# KiCad board control-logic-midplane.kicad_pcb (continued)
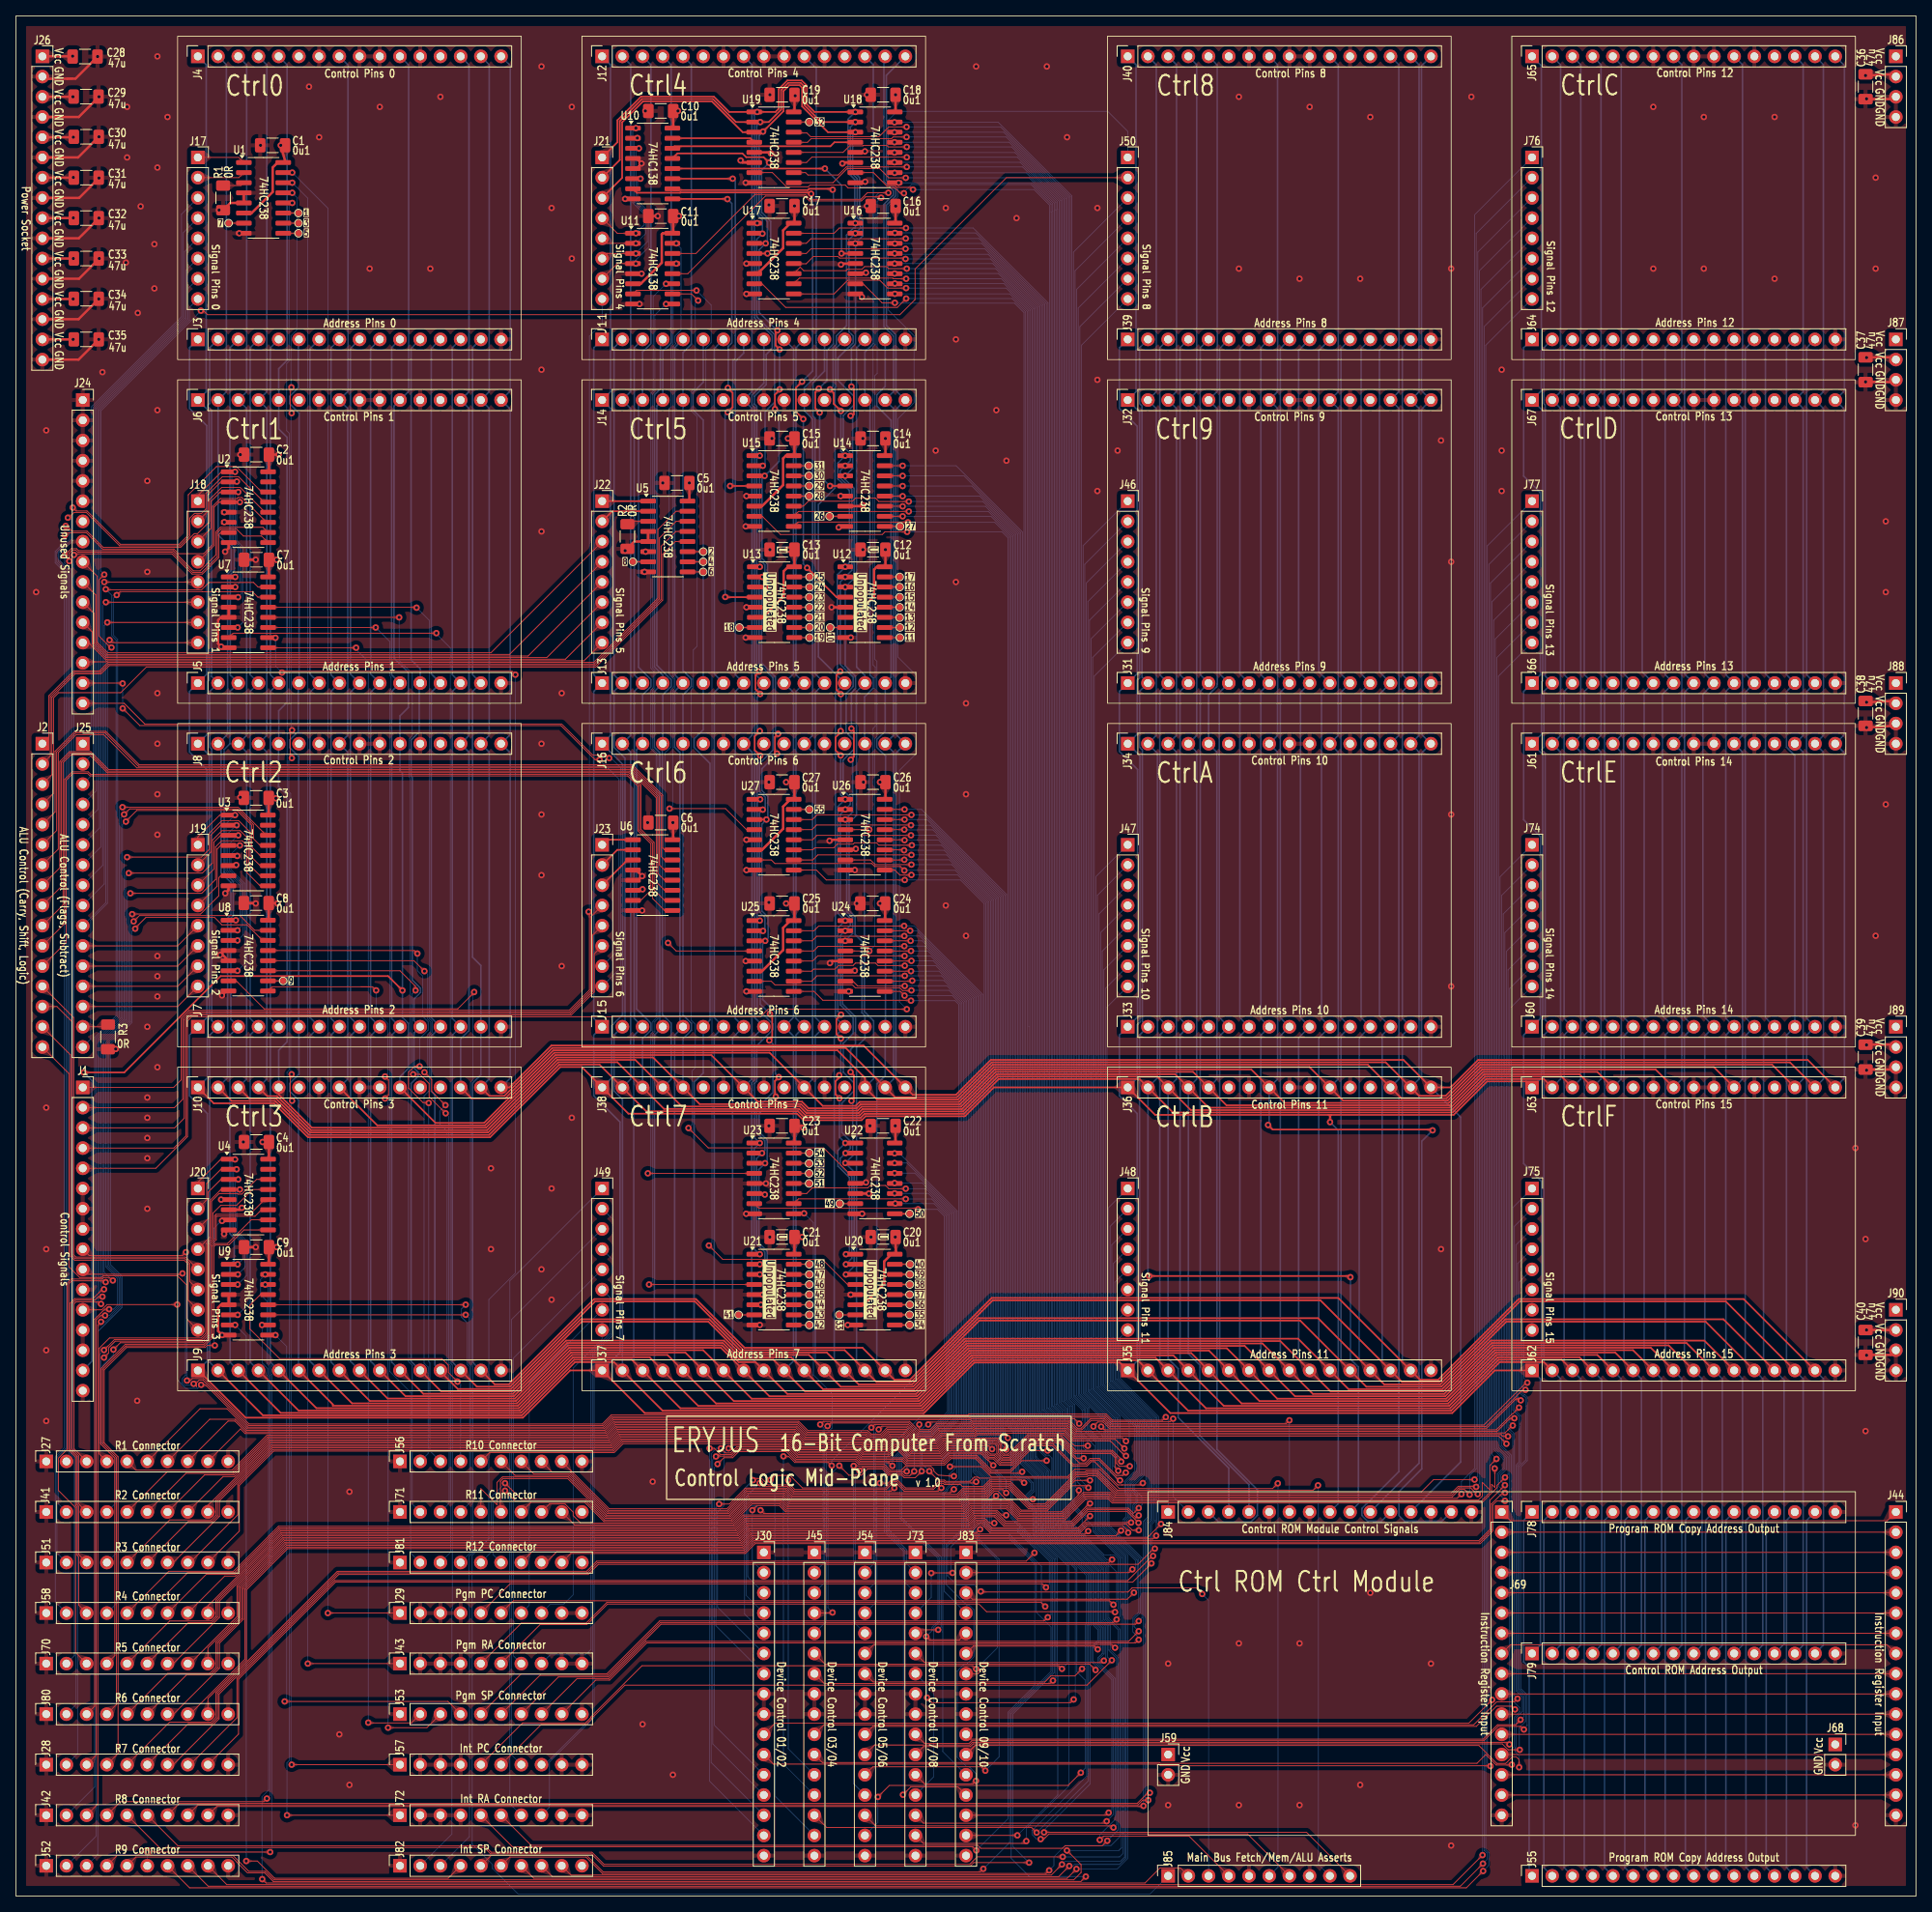
[diagram p0: board, top side]
## Routing (per net, layer and track width the routed paths; a pad name or vN(x,y) marks a point on that pad's centre or on a via; arc(x,y) is an arc through that point) (continued)
Addr8: length 750.1
  Top w0.2: J9.9 46.71,62.51 62.7,62.51 69.39,69.19 88.71,69.19 90.81,67.09 92.93,67.09 J37.9 96.93,63.09 113.1,63.09 119.44,69.43 156.63,69.43 J35.9 162.97,63.09 179.47,63.09 185.57,69.19 207.67,69.19 J62.9
  Bottom w0.2: J64.9 209.67,194.43 209.67,153.55 J66.9 209.67,151.25 209.67,110.37 J60.9 209.65,108.05 209.65,67.21 J62.9 211.87,64.99 211.87,31.53 J79.9 ; J11.9 93.98,190.08 92.49,188.59 92.49,187.33 92.79,187.03 92.79,153.59 J13.9 92.83,151.25 92.83,110.37 J15.9 92.79,108.03 92.79,102.53 92.46,102.19 92.46,102.07 92.49,102.03 92.49,101.17 92.46,101.13 92.46,67.56 J37.9 ; J35.9 158.87,67.19 158.87,108.07 J33.9 158.87,110.37 158.87,151.25 J31.9 158.87,153.55 158.87,194.43 J39.9 ; J9.9 42.03,67.19 42.03,108.07 J7.9 42.03,110.37 42.03,151.25 J5.9 42.03,153.55 42.03,194.43 J3.9
Addr9: length 750.2
  Top w0.2: J62.10 209.91,69.49 185.44,69.49 179.34,63.39 165.21,63.39 J35.10 158.87,69.73 119.32,69.73 112.98,63.39 99.17,63.39 J37.10 95.17,67.39 90.94,67.39 88.84,69.49 69.26,69.49 62.58,62.81 48.95,62.81 J9.10
  Bottom w0.2: J11.10 97.71,194.39 97.71,153.59 J13.10 97.71,151.21 97.71,110.41 J15.10 97.71,108.03 97.71,67.23 J37.10 ; J79.10 214.41,31.53 214.41,64.99 J62.10 212.21,67.19 212.21,108.07 J60.10 211.97,110.61 211.97,151.01 J66.10 212.21,153.55 212.21,194.43 J64.10 ; J39.10 161.17,194.19 161.17,153.79 J31.10 161.41,151.25 161.41,110.37 J33.10 161.17,107.83 161.17,67.43 J35.10 ; J9.10 44.57,67.19 44.57,108.07 J7.10 44.57,110.37 44.57,151.25 J5.10 44.57,153.55 44.57,194.43 J3.10
AddrA: length 749.1
  Top w0.2: J62.11 212.15,69.79 185.32,69.79 179.22,63.69 167.45,63.69 J35.11 161.11,70.03 119.19,70.03 112.85,63.69 101.41,63.69 J37.11 97.41,67.69 91.06,67.69 88.96,69.79 69.14,69.79 62.45,63.11 51.2,63.11 J9.11
  Bottom w0.2: J79.11 216.95,31.53 216.95,64.99 J62.11 214.85,67.09 214.85,108.17 J60.11 214.85,110.27 214.85,151.35 J66.11 214.85,153.45 214.85,194.53 J64.11 ; J35.11 163.71,67.43 163.71,107.83 J33.11 164.05,110.27 164.05,151.35 J31.11 163.71,153.79 163.71,194.19 J39.11 ; J9.11 47.21,67.09 47.21,108.17 J7.11 47.21,110.27 47.21,151.35 J5.11 47.21,153.45 47.21,194.53 J3.11 ; J37.11 98.01,67.09 98.01,108.17 J15.11 98.01,110.27 98.01,151.35 J13.11 98.01,153.45 98.01,194.53 J11.11
AddrB: length 755.8
  Top w0.2: J62.12 212.31,72.17 187.27,72.17 179.09,63.99 169.69,63.99 J35.12 161.37,72.31 121.05,72.31 112.73,63.99 103.65,63.99 J37.12 99.65,67.99 91.19,67.99 87.01,72.17 71.09,72.17 62.33,63.41 53.43,63.41 J9.12
  Bottom w0.2: J37.12 100.45,67.19 100.45,108.07 J15.12 100.45,110.37 100.45,151.25 J13.12 100.41,153.59 100.41,185.69 100.15,185.95 100.15,190.15 101.6,191.6 J11.12 ; J35.12 166.49,67.19 166.49,108.07 J33.12 166.49,110.37 166.49,151.25 J31.12 166.49,153.55 166.49,194.43 J39.12 ; J64.12 217.29,194.43 217.29,153.55 J66.12 217.29,151.25 217.29,110.37 J60.12 217.29,108.07 217.29,67.19 J62.12 219.49,64.99 219.49,31.53 J79.12 ; 50.67,152.27 50.67,146.28 49.65,145.26 49.65,140.72 49.81,140.56 49.81,115.09 50.85,114.05 50.85,113.53 50.01,112.7 50.01,110.01 J7.12 50.01,108.43 50.01,104.04 50.54,103.51 50.54,102.99 49.65,102.1 49.65,67.19 J9.12 ; J3.12 49.65,194.43 49.65,155.33 50.8,154.18 J5.12
AddrC: length 757
  Top w0.2: J62.13 214.55,72.47 187.15,72.47 178.97,64.29 171.93,64.29 J35.13 163.61,72.61 120.92,72.61 112.6,64.29 105.89,64.29 J37.13 101.89,68.29 91.31,68.29 87.13,72.47 70.97,72.47 62.2,63.71 55.53,63.71 53.34,65.89
  Bottom w0.2: J79.13 222.17,31.67 222.17,64.85 J62.13 219.59,67.43 219.59,107.83 J60.13 219.83,110.37 219.83,151.25 J66.13 219.83,153.55 219.83,194.43 J64.13 ; J11.13 102.99,194.43 102.99,189.59 102.92,189.51 102.92,176.9 100.84,174.83 100.84,155.7 J13.13 102.98,151.24 102.98,110.39 J15.13 102.82,107.9 102.82,67.36 J37.13 ; J3.13 52.19,194.43 52.19,153.55 J5.13 52.19,151.25 52.19,110.37 J7.13 52.19,108.07 52.19,101.12 52.63,100.68 52.63,66.75 J9.13 ; J39.13 169.03,194.43 169.03,153.55 J31.13 169.03,151.25 169.03,110.37 J33.13 168.79,107.83 168.79,67.43 J35.13
AddrD: length 759.8
  Top w0.2: J9.14 57.91,64.01 62.08,64.01 72.78,74.71 85.32,74.71 91.44,68.59 104.13,68.59 J37.14 108.13,64.59 112.48,64.59 122.74,74.85 163.91,74.85 J35.14 174.17,64.59 178.84,64.59 188.96,74.71 214.85,74.71 J62.14
  Bottom w0.2: J64.14 222.47,194.53 222.47,153.45 J66.14 222.47,151.35 222.47,144.35 223.52,143.3 J60.14 222.47,108.17 222.47,67.09 J62.14 224.57,64.99 224.57,31.53 J79.14 ; J3.14 54.83,194.53 54.83,153.45 J5.14 54.83,151.35 54.83,110.27 J7.14 54.83,108.17 54.83,67.09 J9.14 ; J37.14 105.63,67.09 105.63,106.7 106.68,107.75 J15.14 106.68,110.62 106.31,110.99 106.31,119.95 105.44,120.82 105.44,123.06 104.69,123.81 104.69,134.85 105.61,135.77 105.61,151.33 J13.14 106.68,153.37 105.63,154.42 105.63,194.53 J11.14 ; J39.14 171.33,194.19 171.33,153.79 J31.14 171.33,151.01 171.33,110.61 J33.14 171.67,108.17 171.67,67.09 J35.14
AddrE: length 759
  Top w0.2: J9.15 60.15,64.31 61.96,64.31 72.66,75.01 85.44,75.01 91.56,68.89 106.37,68.89 J37.15 110.37,64.89 112.36,64.89 122.61,75.15 166.15,75.15 J35.15 176.41,64.89 178.72,64.89 188.84,75.01 217.09,75.01 J62.15
  Bottom w0.2: J15.15 109.22,103.05 108.82,102.65 108.79,102.65 108.17,102.03 108.17,67.09 J37.15 ; J39.15 174.21,194.53 174.21,153.45 J31.15 174.21,151.35 174.21,110.27 J33.15 174.21,108.17 174.21,67.09 J35.15 ; J11.15 109.22,189.66 108.17,188.61 108.17,187.21 109.97,185.41 109.97,153.15 J13.15 109.22,146.35 108.17,145.3 108.17,144.35 109.27,143.24 109.27,109.27 ; J9.15 57.37,67.09 57.37,102.12 58.42,103.17 J7.15 58.42,116.92 57.37,117.97 57.37,151.35 J5.15 57.37,153.45 57.37,194.53 J3.15 ; J79.15 227.11,31.53 227.11,64.99 J62.15 225.01,67.09 225.01,108.17 J60.15 225.01,110.27 225.01,151.35 J66.15 225.01,153.45 225.01,194.53 J64.15
CPU_CLK: length 796.3
  Top w0.2: v1(8.52,103.48) 13.62,103.48 25.72,115.59 46.76,115.59 v1(48.57,113.78) ; J63.11 213.35,104.15 184.1,104.15 179.9,99.95 166.75,99.95 J36.11 162.54,104.16 122.87,104.16 118.49,99.77 106.01,99.77 105.52,99.28 101.38,99.28 J38.11 94.7,105.96 67.66,105.96 58.83,97.13 52.73,97.13 J10.11
  Bottom w0.2: J36.11 166.15,102.65 166.15,143.73 J34.11 166.15,145.83 166.15,186.91 J32.11 166.15,189.01 166.15,230.09 J40.11 ; J4.11 49.35,230.05 49.35,189.05 J6.11 47.51,187.21 47.51,155.54 49.31,153.74 49.31,149.34 48.26,148.29 J8.11 48.26,141.4 48.57,141.09 v1(48.57,113.78) 48.57,110.39 49.31,109.65 49.31,103.99 48.26,102.94 J10.11 ; J63.11 216.95,102.65 216.95,143.73 J61.11 216.95,145.83 216.95,186.91 J67.11 216.95,189.01 216.95,230.09 J65.11 ; J1.15 9.55,67.19 9.55,102.45 v1(8.52,103.48) ; J38.11 100.11,102.65 100.11,143.73 J16.11 100.11,145.83 100.11,185.56 99.06,186.61 J14.11 99.06,189.48 100.56,190.98 100.56,195.14 100.55,195.15 100.55,196.01 100.56,196.02 100.56,229.64 J12.11
CPY_CLK: length 794.3
  Top w0.2: J63.8 206.03,103.85 184.23,103.85 180.03,99.65 159.43,99.65 J36.8 155.22,103.86 123,103.86 118.62,99.47 106.13,99.47 105.64,98.98 99.59,98.98 98.77,99.8 93.24,99.8 J38.8 87.38,105.66 67.78,105.66 58.95,96.83 45.41,96.83 J10.8 ; v1(178.01,96.21) 177.91,96.31 157.91,96.31 v1(157.33,96.88)
  Bottom w0.2: J65.8 209.33,230.09 209.33,189.01 J67.8 209.33,186.91 209.33,145.83 J61.8 209.33,143.73 209.33,102.65 J63.8 ; v1(178.01,96.21) 176.65,94.85 176.65,53.67 173.77,50.79 173.77,47.83 174.49,47.11 179.19,47.11 J84.15 ; J40.8 158.53,230.09 158.53,189.01 J32.8 158.53,186.91 158.53,145.83 J34.8 158.53,143.73 158.53,102.65 J36.8 157.48,97.03 v1(157.33,96.88) ; J12.8 92.49,230.09 92.49,189.01 J14.8 92.49,186.91 92.49,145.83 J16.8 92.49,143.73 92.49,102.65 J38.8 ; J10.8 41.69,102.65 41.69,143.73 J8.8 41.69,145.83 41.69,186.91 J6.8 41.73,189.05 41.73,230.05 J4.8
EEPROM CMD/ADDR: length 791.1
  Top w0.2: v1(167.69,77.76) 167.53,77.91 v1(142.38,77.91) ; J10.2 27.09,99.91 32.55,99.91 36.82,95.63 59.45,95.63 68.28,104.46 73.34,104.46 J38.2 79.2,98.6 98.27,98.6 99.09,97.78 106.14,97.78 106.63,98.27 119.11,98.27 123.5,102.66 141.19,102.66 J36.2 145.39,98.45 180.52,98.45 184.72,102.65 191.99,102.65 J63.2
  Bottom w0.2: J65.2 194.09,230.09 194.09,189.01 J67.2 194.09,186.91 194.09,145.83 J61.2 194.09,143.73 194.09,102.65 J63.2 ; v1(167.69,77.76) 167.69,67.48 168.69,66.47 168.69,49.31 J84.10 ; J38.2 77.25,102.65 77.25,143.73 J16.2 77.25,145.83 77.25,186.91 J14.2 77.25,189.01 77.25,230.09 J12.2 ; J8.2 26.59,145.97 26.59,166.08 27.05,166.54 27.05,169.37 25.4,171.02 J6.2 26.45,189.01 26.45,230.09 J4.2 ; v1(142.38,77.91) 142.24,78.05 J36.2 143.43,102.79 143.43,143.59 J34.2 143.29,145.83 143.29,186.91 J32.2 143.29,189.01 143.29,230.09 J40.2 ; J10.2 26.59,102.79 26.59,122.88 27,123.29 27,127.35 25.78,128.58 25.78,144.4
EEPROM ~{CS}: length 764
  Top w0.2: 189.75,102.35 184.85,102.35 180.65,98.15 165.31,98.15 ; v1(165.12,97.24) 165.12,97.88 ; 165.12,97.88 165.12,98.09 165.19,98.15 ; 165.12,97.88 165.12,97.96 ; 165.19,98.15 164.94,98.15 ; 165.19,98.15 165.31,98.15 ; 164.94,98.15 165.12,97.96 ; 164.94,98.15 143.15,98.15 J36.1 122.86,101.6 119.24,97.97 106.76,97.97 106.26,97.48 98.97,97.48 98.15,98.3 76.96,98.3 J38.1 71.1,104.16 68.4,104.16 59.57,95.33 36.7,95.33 32.43,99.61 24.85,99.61 J10.1 ; 165.12,97.96 165.31,98.15
  Bottom w0.2: J38.1 74.85,102.79 74.85,109.35 76.23,110.74 76.23,142.21 J16.1 74.71,145.83 74.71,186.91 J14.1 74.71,189.01 74.71,230.09 J12.1 ; J40.1 140.75,230.09 140.75,189.01 J32.1 141.19,186.48 141.19,153.03 140.89,152.74 140.89,145.97 J34.1 141.23,143.25 141.23,109.8 140.89,109.46 140.89,102.79 J36.1 ; J4.1 23.91,230.09 23.91,189.01 J6.1 24.28,186.54 24.28,152.76 24.05,152.53 24.05,145.97 J8.1 24.3,143.34 24.3,110.24 24.05,109.99 24.05,102.79 J10.1 ; v1(165.12,97.24) 166.15,96.22 166.15,49.31 J84.9 ; J65.1 191.67,229.97 191.67,189.13 J67.1 191.85,186.61 191.85,152.69 191.69,152.53 191.69,145.97 J61.1 191.85,143.43 191.85,110.15 191.69,109.99 191.69,102.79 J63.1
HS_CLK: length 176.7
  Top w0.1: J1.12 10.79,73.66 11.45,74.32 v1(20.27,74.32) ; v1(23.27,64.24) 23.8,64.24 29.13,58.91 73.84,58.91 74.97,60.04 119.79,60.04 119.91,60.16 136.85,60.16 137.63,59.38 159.62,59.38 v1(160.02,59.78)
  Bottom w0.1: v1(20.27,74.32) 20.27,64.89 21.37,63.78 22.81,63.78 v1(23.27,64.24) ; v1(160.02,59.78) J84.7
INSTR_A0: length 50.4
  Top w0.1: J44.1 235.12,47.16 187.79,47.16 J69.1
INSTR_A1: length 49.5
  Top w0.1: J69.2 J44.2
INSTR_A2: length 49.5
  Top w0.1: J69.3 J44.3
INSTR_A3: length 49.5
  Top w0.1: J69.4 J44.4
INSTR_A4: length 49.5
  Top w0.1: J69.5 J44.5
INSTR_A5: length 49.5
  Top w0.1: J69.6 J44.6
INSTR_A6: length 49.5
  Top w0.1: J69.7 J44.7
INSTR_A7: length 50.4
  Top w0.1: J44.8 235.12,31.58 187.79,31.58 J69.8
INSTR_A8: length 49.5
  Top w0.1: J69.9 J44.9
INSTR_A9: length 49.5
  Top w0.1: J69.10 J44.10
INSTR_AA: length 49.5
  Top w0.1: J69.11 J44.11
INSTR_AB: length 49.5
  Top w0.1: J69.12 J44.12
INSTR_AC: length 49.5
  Top w0.1: J44.13 J69.13
INSTR_AD: length 49.5
  Top w0.1: J69.14 J44.14
INSTR_AE: length 49.5
  Top w0.1: J69.15 J44.15
LATCH ~{OE}: length 767.9
  Top w0.2: J10.3 29.34,100.21 32.68,100.21 36.95,95.93 59.33,95.93 68.15,104.76 75.58,104.76 J38.3 81.44,98.9 98.4,98.9 99.22,98.08 106.01,98.08 106.51,98.57 118.99,98.57 123.37,102.96 143.42,102.96 J36.3 147.63,98.75 180.4,98.75 184.6,102.95 194.23,102.95 J63.3
  Bottom w0.2: J4.3 28.99,230.09 28.99,189.01 J6.3 28.99,186.91 28.99,145.83 J8.3 28.99,143.73 28.99,102.65 J10.3 ; J84.4 152.4,53.77 146.03,60.13 146.03,66.27 144.78,67.52 J36.3 145.83,102.65 145.83,143.73 J34.3 145.83,145.83 145.83,186.91 J32.3 145.83,189.01 145.83,230.09 J40.3 ; J14.3 78.74,194.01 79.79,195.06 79.79,230.09 J12.3 ; J38.3 78.74,107.74 79.79,108.79 79.79,109.65 77.99,111.45 77.99,144.03 J16.3 78.74,150.92 79.79,151.97 79.79,152.83 78.23,154.39 78.23,187.45 ; J63.3 196.63,102.65 196.63,143.73 J61.3 196.63,145.83 196.63,186.91 J67.3 196.63,189.01 196.63,230.09 J65.3
PGM_A0: length 45.5
  Bottom w0.2: 190.07,47.83 189.45,47.21 189.45,29.43 190.13,28.75 190.13,2.91
PGM_A1: length 46.6
  Bottom w0.2: J78.2 191.99,47.21 191.99,3.59 J55.2
PGM_A2: length 46.6
  Bottom w0.2: J78.3 194.53,47.21 194.53,3.59 J55.3
PGM_A3: length 46.6
  Bottom w0.2: J55.4 197.07,3.59 197.07,47.21 J78.4
PGM_A4: length 46.6
  Bottom w0.2: J55.5 199.61,3.59 199.61,47.21 J78.5
PGM_A5: length 46.6
  Bottom w0.2: J78.6 202.15,47.21 202.15,3.59 J55.6
PGM_A6: length 46.6
  Bottom w0.2: J78.7 204.69,47.21 204.69,3.59 J55.7
PGM_A7: length 46.6
  Bottom w0.2: J78.8 207.23,47.21 207.23,3.59 J55.8
PGM_A8: length 46.6
  Bottom w0.2: J78.9 209.77,47.21 209.77,3.59 J55.9
PGM_A9: length 46.6
  Bottom w0.2: J78.10 212.31,47.21 212.31,3.59 J55.10
PGM_AA: length 46.6
  Bottom w0.2: J78.11 214.85,47.21 214.85,3.59 J55.11
PGM_AB: length 46.6
  Bottom w0.2: J55.12 217.39,3.59 217.39,47.21 J78.12
PGM_AC: length 46.6
  Bottom w0.2: J55.13 219.93,3.59 219.93,47.21 J78.13
PGM_AD: length 46.6
  Bottom w0.2: J78.14 222.47,47.21 222.47,3.59 J55.14
PGM_AE: length 46.6
  Bottom w0.2: J78.15 225.01,47.21 225.01,3.59 J55.15
SHIFTER ~{OE}: length 768.2
  Top w0.2: J10.4 31.57,100.51 32.8,100.51 37.07,96.23 59.2,96.23 68.03,105.06 77.82,105.06 J38.4 83.68,99.2 98.52,99.2 99.34,98.38 105.89,98.38 106.38,98.87 118.87,98.87 123.25,103.26 145.66,103.26 J36.4 149.87,99.05 180.28,99.05 184.48,103.25 196.47,103.25 J63.4
  Bottom w0.2: J38.4 82.33,102.65 82.33,109.65 81.23,110.76 81.23,144.73 ; J40.4 148.37,230.09 148.37,189.01 J32.4 148.37,186.91 148.37,145.83 J34.4 148.37,143.73 148.37,102.65 J36.4 147.32,68.16 148.76,66.72 148.76,57.86 154.94,51.68 J84.5 ; J12.4 82.33,230.09 82.33,195.15 81.28,194.1 J14.4 80.53,187.21 80.53,154.63 82.33,152.83 82.33,151.97 81.28,150.92 J16.4 ; J63.4 199.17,102.65 199.17,143.73 J61.4 199.17,145.83 199.17,186.91 J67.4 199.17,189.01 199.17,230.09 J65.4 ; J4.4 31.53,230.09 31.53,189.01 J6.4 31.53,186.91 31.53,145.83 J8.4 31.53,143.73 31.53,102.65 J10.4
SHIFTER ~{RESET}: length 775
  Top w0.2: J63.5 198.71,103.55 184.35,103.55 180.15,99.35 152.11,99.35 J36.5 147.91,103.56 123.12,103.56 118.74,99.17 106.26,99.17 105.77,98.68 99.47,98.68 98.65,99.5 85.92,99.5 J38.5 80.06,105.36 67.9,105.36 59.08,96.53 37.19,96.53 33.02,100.71 J10.5
  Bottom w0.2: J65.5 201.71,230.09 201.71,189.01 J67.5 201.71,186.91 201.71,145.83 J61.5 201.71,143.73 201.71,102.65 J63.5 ; J8.5 33.02,148.92 34.07,149.97 34.07,183.28 33.02,184.33 J6.5 33.02,191.9 34.07,192.95 34.07,230.09 J4.5 ; J84.3 151.11,47.01 155.17,47.01 155.99,47.83 155.99,51.05 150.91,56.13 150.91,100.55 J36.5 150.91,102.65 150.91,110.29 150.91,110.29 150.91,143.73 J34.5 149.86,150.92 150.91,151.97 150.91,152.25 150.95,152.29 150.95,186.87 J32.5 150.95,189.05 150.95,230.05 J40.5 ; J10.5 33.02,106.27 34.07,107.32 34.07,138.35 32.99,139.42 32.99,144.75 ; J38.5 83.82,107.72 84.87,108.77 84.87,109.65 83.82,110.7 J16.5 83.82,150.93 84.24,151.35 84.25,151.35 84.87,151.97 84.87,152.92 83.82,153.97 J14.5 83.82,193.93 84.87,194.98 84.87,230.09 J12.5
SignalAddrBus1AssertBit0: length 6
  Top w0.1: U1.1 28,218.44 J17.1
SignalAddrBus1AssertBit1: length 6
  Top w0.1: J17.2 28,215.9 28.64,216.54
SignalAddrBus1AssertIntPC: length 213.8
  Top w0.1: 34.65,103.2 34.46,103.01 34.46,100.16 v1(34.7,99.92) ; v1(34.65,186.31) 34.46,186.49 34.46,189.4 v1(34.62,189.56) ; v1(34.7,146.48) 34.46,146.25 34.46,143.19 v1(34.67,142.98) ; U1.13 v1(34.72,214) ; v1(34.65,16.51) J57.1
  Bottom w0.1: v1(34.72,214) 35.3,213.42 35.3,196.77 34.56,196.03 34.56,189.62 v1(34.62,189.56) ; v1(34.67,142.98) 34.29,142.59 34.29,138.76 34.52,138.53 34.52,103.33 34.65,103.2 ; v1(34.7,99.92) 34.56,99.79 34.56,16.6 v1(34.65,16.51) ; 34.56,146.47 34.56,186.22 v1(34.65,186.31)
  vias: v1(34.65,103.25)
SignalAddrBus1AssertIntRA: length 218.8
  Top w0.1: U1.12 34.65,212.73 ; v1(34.06,10.16) J72.1
  Bottom w0.1: v1(34.06,10.16) 34.06,16.75 34.36,17.04 34.36,99.44 34.07,99.73 34.07,103.49 34.32,103.75 34.32,138.45 34.09,138.68 34.09,149.63 34.32,149.87 34.32,150.27 34.34,150.29 34.34,183.79 34.02,184.11 34.02,192.54 34.32,192.84 34.32,212.4 34.65,212.73
  vias: v1(34.72,212.73)
SignalAddrBus1AssertPgmPC: length 193
  Top w0.1: v1(39.19,35.56) J29.1 ; 33.59,216.54 v1(34.72,216.54)
  Bottom w0.1: v1(34.72,216.54) 39.2,212.06 39.2,35.57 v1(39.19,35.56)
SignalAddrBus1AssertPgmRA: length 199.6
  Top w0.1: U1.14 v1(34.72,215.27) ; v1(36.68,29.21) J43.1
  Bottom w0.1: v1(34.72,215.27) 36.68,213.31 v1(36.68,29.21)
SignalAddrBus2AssertBit0: length 18
  Top w0.1: 22.86,175.97 25.83,178.94
  Bottom w0.1: v1(27.56,165.74) 27.94,166.12 27.94,169.26 27.14,170.06 27.14,178.65 27.43,178.94
  vias: v1(27.53,178.94)
SignalAddrBus2AssertBit1: length 20.9
  Top w0.1: J18.2 24.11,173.97 24.11,176.04 25.74,177.67 U2.2
  Bottom w0.1: v1(27.56,164.47) 28.14,165.05 28.14,169.34 27.34,170.14 27.34,177.4 27.53,177.6
  vias: v1(27.76,177.72)
SignalAddrBus2AssertBit2: length 24.6
  Top w0.1: v1(27.91,163.2) U7.3 ; 27.89,176.4 U2.3 25.69,176.4 24.51,175.23 24.51,171.83 J18.3
  Bottom w0.1: v1(27.91,163.2) 28.34,163.62 28.34,169.43 27.54,170.22 27.54,176.05 27.89,176.4
  vias: v1(27.94,176.4)
SignalAddrBus2AssertBit3: length 28.6
  Top w0.1: v1(27.86,159.39) U7.6 ; 27.99,175.11 27.97,175.13 U2.4 25.53,175.13 24.91,174.52 24.91,169.69 J18.4
  Bottom w0.1: 27.99,175.11 27.74,174.86 27.74,170.31 28.54,169.51 28.54,160.06 v1(27.86,159.39)
  vias: v1(28.14,175.13)
SignalAddrBus2AssertFetch: length 274.8
  Top w0.1: v1(62.76,153.46) 62.34,153.88 33.59,153.88 v1(33.43,153.72) ; 32.59,158.12 v1(32.61,158.09)
  Bottom w0.1: v1(62.76,153.46) 62.76,78.28 59.42,74.94 59.42,44.88 57.34,42.8 57.34,6.5 59.88,3.96 59.88,3.47 63.11,0.25 142.49,0.25 J85.1 ; v1(32.61,158.09) 32.61,154.56 v1(33.43,153.72)
SignalAddrBus2AssertIntSP: length 183.6
  Top w0.1: 52.73,158.67 52.73,158.67 27.29,158.67 U7.7
  Bottom w0.1: J82.2 54.78,7.79 54.78,36.02 54.84,36.07 54.84,66.73 54.58,66.99 54.58,156.82 52.73,158.67
  vias: v1(52.83,158.67)
SignalAddrBus2AssertPgmSP: length 153.6
  Top w0.1: 31.68,156.85 42.52,156.85 42.7,156.67 ; v1(44.27,21.79) 44.31,21.76 49.7,21.76 J53.2
  Bottom w0.1: 42.7,156.67 44.28,155.08 44.28,21.8 v1(44.27,21.79)
  vias: v1(42.75,156.85)
SignalAddrBus2AssertR1: length 154.6
  Top w0.1: v1(7.14,174.45) 7.56,174.02 8.94,174.02 13.12,169.84 20.51,169.84 21.66,170.99 21.66,176.06 25.2,179.6 27.69,179.6 30.89,176.4
  Bottom w0.1: 6.69,54.95 6.69,166.6 5.54,167.75 5.54,168.69 7.14,170.29 v1(7.14,174.45)
SignalAddrBus2AssertR2: length 160.9
  Top w0.1: 31.17,175.13 28,178.3 25.93,178.3 23.88,176.25 23.88,174.27 23.33,173.72 22.45,173.72 21.86,173.13 21.86,170.91 20.59,169.64 13.04,169.64 8.86,173.82 7.3,173.82 6.68,173.2
  Bottom w0.1: 6.68,173.2 6.94,172.95 6.94,170.37 5.34,168.78 5.34,167.66 6.49,166.52 6.49,56.16 5.35,55.02 5.35,49.26 J41.2
  vias: v1(6.53,173.18)
SignalAddrBus2AssertR3: length 164.6
  Top w0.1: 6.38,172.14 7.03,171.48 8.94,171.48 10.98,169.44 20.67,169.44 22.41,171.18 22.82,171.18 24.31,172.67 24.31,175.44 25.85,176.98 28.18,176.98 31.3,173.86
  Bottom w0.1: 6.38,172.14 6.74,171.77 6.74,170.45 5.14,168.86 5.14,167.58 6.29,166.43 6.29,56.25 5.15,55.11 5.15,43.11 J51.2
  vias: v1(6.25,172.14)
SignalAddrBus2AssertR4: length 171.1
  Top w0.1: 31.5,172.59 28.38,175.71 27.9,175.71 27.77,175.58 25.69,175.58 24.71,174.6 24.71,169.77 23.59,168.66 20.43,168.66 19.85,169.24 10.9,169.24 8.86,171.28 6.43,171.28 v1(6.15,170.99)
  Bottom w0.1: v1(6.15,170.99) 6.15,170.15 4.94,168.94 4.94,167.5 6.09,166.35 6.09,56.33 4.95,55.19 4.95,36.96 J58.2
SignalAddrBus2AssertR5: length 171.5
  Top w0.1: 31.68,171.32 31.03,171.97 25.7,171.97 25.11,171.38 25.11,168.48 23.13,166.5 22.31,166.5 19.77,169.04 7.86,169.04 7.61,169.28 6.95,169.28 v1(6.12,168.45)
  Bottom w0.1: v1(6.12,168.45) 6.12,167.48 6.89,166.71 6.89,55.48 7.35,55.02 7.35,30.21 J70.2
SignalAddrBus2AssertR6: length 177.8
  Top w0.1: 31.68,170.05 30.86,170.87 28.59,170.87 27.69,171.77 25.78,171.77 25.31,171.3 25.31,168.26 23.35,166.3 22.22,166.3 19.68,168.84 7.77,168.84 7.53,169.08 7.05,169.08 6.71,168.74 v1(6.71,167.72)
  Bottom w0.1: J80.2 7.55,24.06 7.55,55.11 7.09,55.57 7.09,167.33 v1(6.71,167.72)
SignalAddrBus2AssertR7: length 177.2
  Top w0.1: U2.7 25.76,171.32 25.51,171.07 25.51,168.18 23.43,166.1 22.14,166.1 19.6,168.64 7.43,168.64 v1(7.29,168.5)
  Bottom w0.1: J28.2 7.75,17.91 7.75,55.19 7.29,55.65 v1(7.29,168.5)
SignalAddrBus2AssertR8: length 178.2
  Top w0.1: 31.68,164.47 30.42,164.47 29.84,165.05 24.25,165.05 23.31,164.1 11.38,164.1 v1(11.29,164.19)
  Bottom w0.1: J42.2 9.89,13.7 9.89,107.89 12.59,110.58 12.59,157.8 12.06,158.33 12.06,163.42 v1(11.29,164.19)
SignalAddrBus2AssertR9: length 182.2
  Top w0.1: v1(12.66,163.46) 13.1,163.9 23.39,163.9 23.41,163.89 29.71,163.89 30.4,163.2 31.68,163.2
  Bottom w0.1: v1(12.66,163.46) 12.26,163.06 12.26,158.41 12.79,157.89 12.79,110.5 10.09,107.8 10.09,7.55 J52.2
SignalAddrBus2AssertR10: length 127.8
  Top w0.1: 31.68,161.93 50.29,161.93 v1(50.34,161.87)
  Bottom w0.1: J56.2 51.8,55.61 51.8,66.45 51.28,66.97 51.28,100.53 51.94,101.18 51.94,108.17 52.34,108.57 52.34,109.87 51.94,110.27 51.94,160.28 v1(50.34,161.87)
SignalAddrBus2AssertR11: length 130.5
  Top w0.1: 31.68,160.66 48.11,160.66 48.13,160.63
  Bottom w0.1: J71.2 49.8,49.26 49.8,66.67 49.81,66.68 49.33,67.16 49.33,103.66 49.56,103.89 49.56,140.46 49.4,140.62 49.4,145.36 49.8,145.76 49.8,153.6 48.16,155.24 v1(48.16,160.66)
SignalAddrBus2AssertR12: length 133.5
  Top w0.1: 31.68,159.39 v1(45.21,159.39)
  Bottom w0.1: v1(45.21,159.39) 46.96,157.64 46.96,153.35 47.14,153.16 47.14,151.64 46.96,151.45 46.96,65.93 49.6,63.29 49.6,43.11 J81.2
SignalAluArighShiftLeft: length 101.8
  Top w0.1: U6.14 81.51,130.18 81.06,130.63 81.06,138.24 77.36,141.94 15.4,141.94 11.21,146.13 7.5,146.13 5.12,143.75 5.12,133.88 J2.6
SignalAluArighShiftRight: length 105.1
  Top w0.1: J2.7 5.32,131.54 5.32,143.67 7.58,145.93 11.02,145.93 15.21,141.74 77.28,141.74 80.86,138.16 80.86,129.56 81.51,128.91 U6.13
SignalALUBusAAssertBit0: length 21.6
  Top w0.1: 27.84,122.61 U8.1 ; U3.1 25.6,135.81 22.86,133.07 J19.1
  Bottom w0.1: 27.51,135.81 26.41,134.72 26.41,128.72 28.14,127 28.14,122.91 27.84,122.61
  vias: v1(27.53,135.81) v1(27.64,122.61)
SignalALUBusAAssertBit1: length 23.9
  Top w0.1: v1(27.84,121.34) U8.2 ; J19.2 24.48,131.16 24.48,133.29 25.73,134.54 U3.2 27.69,134.54
  Bottom w0.1: v1(27.84,121.34) 28.34,121.84 28.34,127.08 26.61,128.81 26.61,133.47 27.69,134.54
  vias: v1(27.74,134.54)
SignalALUBusAAssertBit2: length 25.4
  Top w0.1: 27.89,133.27 U3.3 25.73,133.27 24.88,132.42 24.88,129.02 J19.3 ; v1(27.84,120.07) U8.3
  Bottom w0.1: 27.89,133.27 26.81,132.2 26.81,128.89 28.54,127.16 28.54,120.77 v1(27.84,120.07)
  vias: v1(27.94,133.27)
SignalALUBusAAssertBit3: length 29.5
  Top w0.1: J19.4 25.28,126.88 25.28,131.55 25.73,132 U3.4 28.12,132 ; v1(27.84,116.26) U8.6
  Bottom w0.1: v1(27.84,116.26) 28.74,117.16 28.74,127.24 27.01,128.97 27.01,130.9 28.12,132
  vias: v1(28.14,132)
SignalALUBusAAssertIntSP: length 144.7
  Top w0.1: U8.7 27.68,114.99 31.19,111.48 55.52,111.48 57.48,113.44
  Bottom w0.1: J82.3 56.98,7.45 56.98,36.02 56.93,36.06 56.93,42.68 57.42,43.17 57.42,66.69 57.12,66.99 57.12,102.23 57.42,102.53 57.42,113.38 57.48,113.44
  vias: v1(57.58,113.59)
SignalALUBusAAssertPgmSP: length 116.4
  Top w0.1: U8.9 32.19,114.25 43.38,114.25 ; 43.38,114.25 44.81,114.25 v1(45.26,113.79) ; 43.38,114.25 44.56,114.25 ; v1(46.38,102.97) 46.82,102.53 46.82,100.64 v1(46.38,100.2) ; J53.3 51.64,21.16 v1(46.76,21.16)
  Bottom w0.1: v1(46.76,21.16) 46.76,21.16 46.76,99.82 v1(46.38,100.2) ; v1(46.38,102.97) 46.72,103.31 46.72,109.63 45.26,111.09 v1(45.26,113.79)
SignalALUBusAAssertR1: length 107.5
  Top w0.1: 31.46,133.27 27.94,136.79 13.35,136.79 ; J27.3 7.3,56.2 7.3,74.4 7.56,74.66 10.43,74.66 v1(10.69,74.4)
  Bottom w0.1: v1(10.69,74.4) 10.29,74.8 10.29,107.72 12.99,110.42 12.99,136.46 13.33,136.8
  vias: v1(13.39,136.8)
SignalALUBusAAssertR2: length 114.5
  Top w0.1: v1(10.87,75.31) 10.36,75.31 9.91,74.86 7.47,74.86 7.04,74.42 7.04,56.18 7.89,55.33 7.89,49.26 J41.3 ; v1(13.59,135.9) 14.29,136.59 27.86,136.59 29.83,134.62 29.83,132.86 30.68,132 U3.13
  Bottom w0.1: v1(10.87,75.31) 10.49,75.69 10.49,107.64 13.19,110.34 13.19,135.49 v1(13.59,135.9)
SignalALUBusAAssertR3: length 121
  Top w0.1: J51.3 7.89,42.91 7.89,48.98 7.69,49.18 7.69,55.24 6.84,56.1 6.84,74.5 7.39,75.06 9.68,75.06 10.85,76.23 v1(11.07,76.23) ; 13.74,134.95 15.19,136.39 27.77,136.39 29.63,134.54 29.63,131.79 30.68,130.73 U3.12
  Bottom w0.1: v1(11.07,76.23) 10.69,76.61 10.69,107.55 13.39,110.25 13.39,134.62 13.72,134.95 13.74,134.95
  vias: v1(13.82,135)
SignalALUBusAAssertR4: length 126.8
  Top w0.1: J58.3 7.89,36.56 7.89,42.63 7.69,42.83 7.69,48.89 7.49,49.09 7.49,55.16 6.64,56.02 6.64,76.91 7.02,77.3 11.12,77.3 v1(11.28,77.14) ; U3.11 30.68,129.46 29.43,130.72 29.43,133.67 27.98,135.12 25.89,135.12 24.28,133.52 24.28,131.5 23.32,130.54 13.98,130.54 v1(13.97,130.53)
  Bottom w0.1: v1(11.28,77.14) 10.89,77.53 10.89,107.47 13.59,110.17 13.59,130.15 v1(13.97,130.53)